# Altium PCB PCB2.PcbDoc (part 2 of 3)
Units mil, origin at the board's own origin, x right, y up, seen from the top; angles counter-clockwise.
Board outline 1953.01 x 1952 mil, 6 copper layers (Top Layer, Layer 1, Layer 3, Layer 4, Layer 2, Bottom Layer), stack 46.352 mil thick; 47 components, 102 nets, 392 pads, 264 vias.
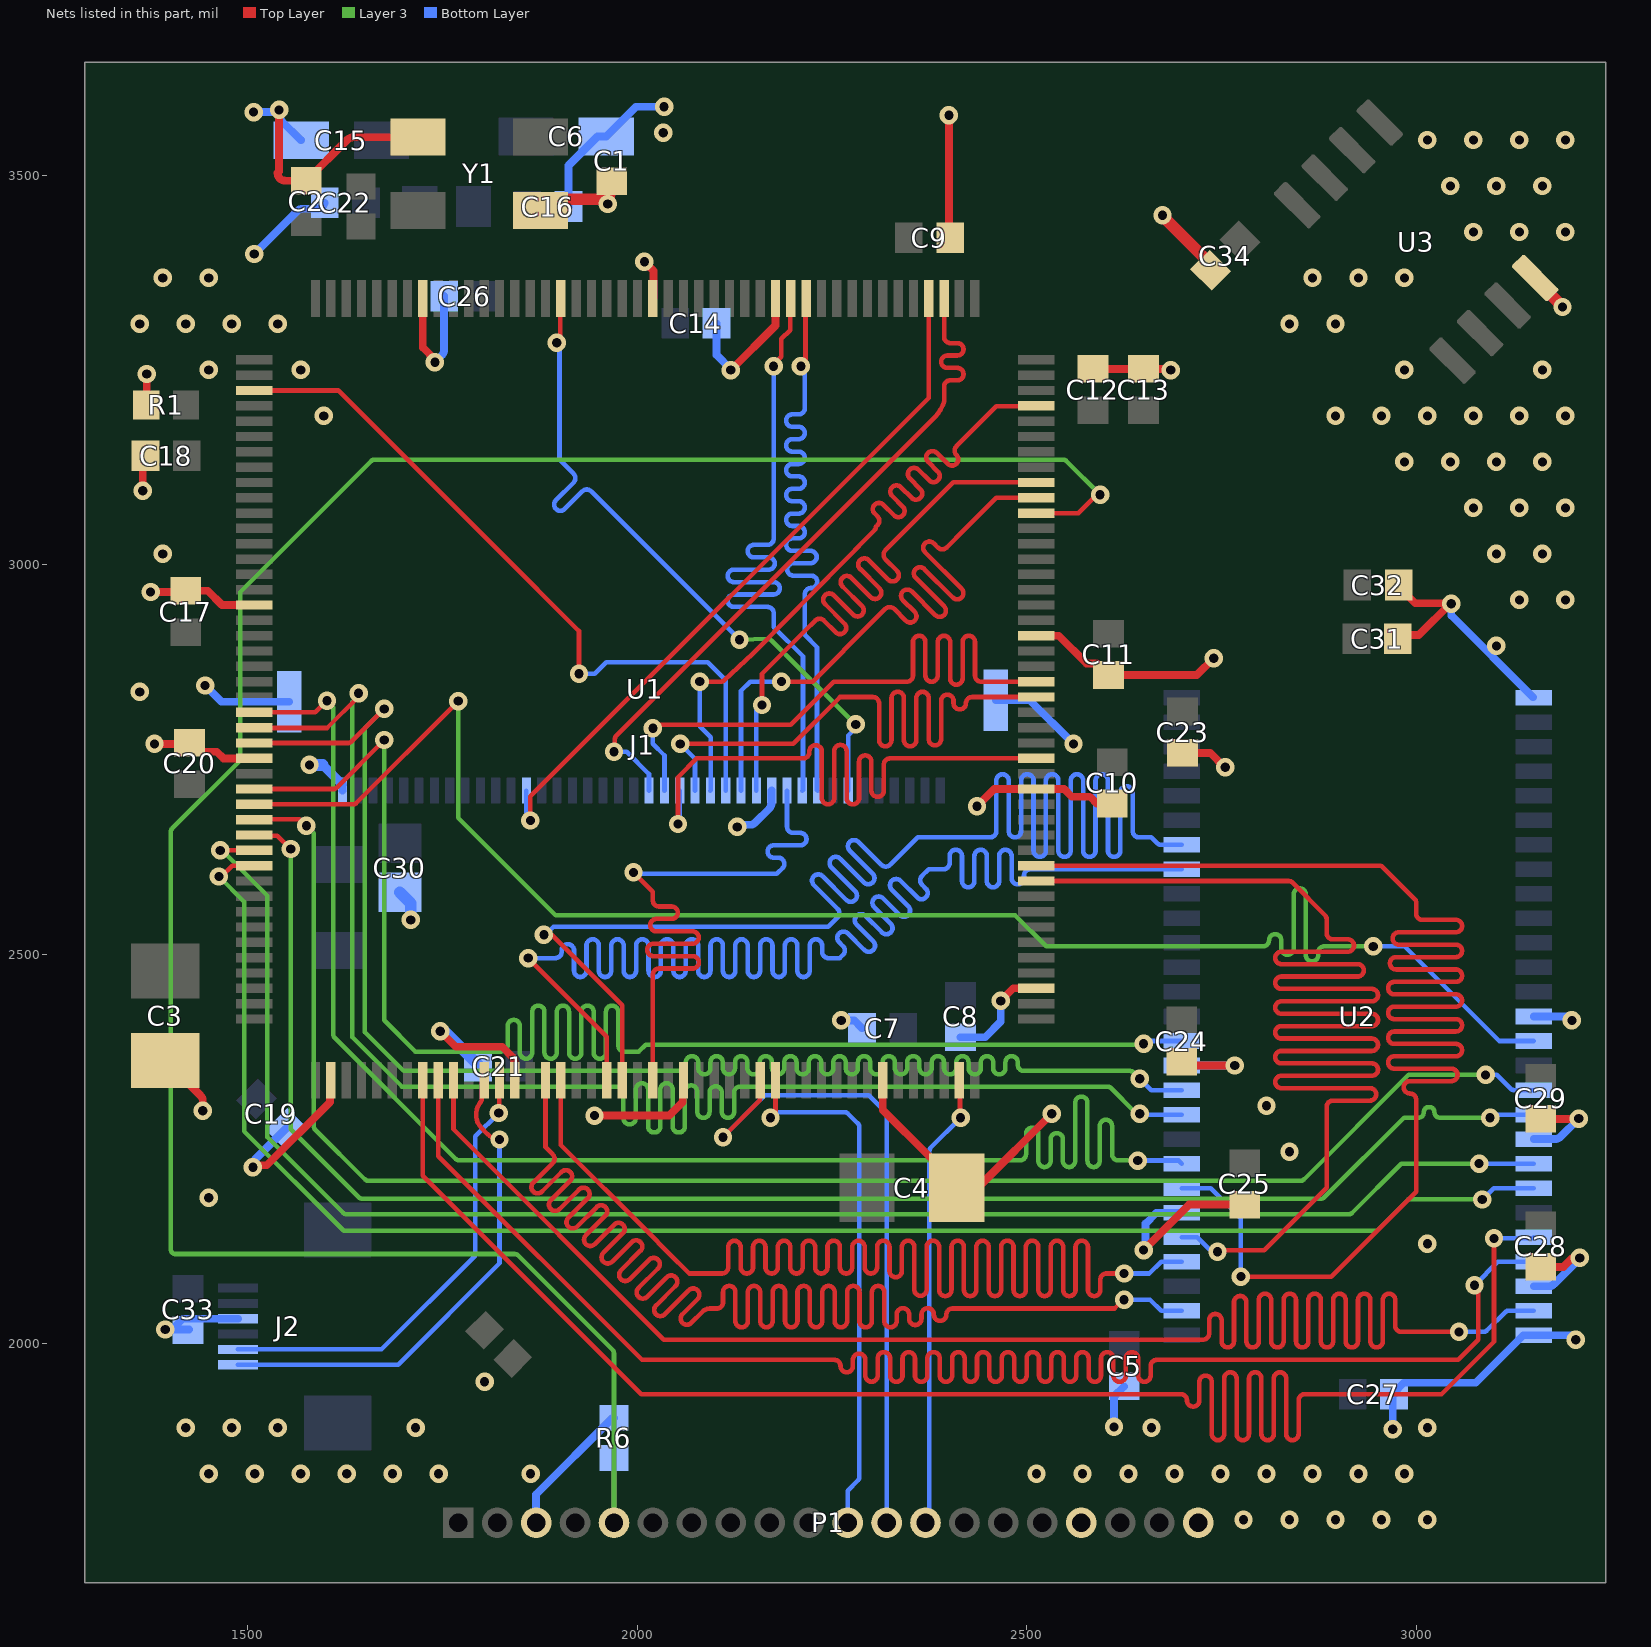
[diagram p6: the nets of this part, all layers, seen from the top]

## Via types
v1: diameter 23.62, hole 11.81, Top Layer to Bottom Layer, tented both sides, 264 vias

## Nets (pads, with @x,y where several pads share a name; then routed paths per layer and width w, separated by ;. In a path a pad name is that pad's centre, name@x,y a point inside that pad or via, vN(x,y) a via of type N, cw(c..) or ccw(c..) an arc to the next point about the centre after c; other vN are vias at no path point) (continued)
BA0: U1.108 U2.20 | length 2477.9
  Top Layer w5.93: v1(1860,2495) 1960.79,2394.21 U1.108@1960.79,2338.03
  Bottom Layer w5.93: v1(1860,2495) 1894.82,2495 ccw(c1894.82,2502.96) 1902.78,2502.96 1902.78,2504.78 cw(c1910.75,2504.78) 1918.71,2504.78 1918.71,2478.64 ccw(c1926.68,2478.64) 1934.64,2478.64 1934.64,2511.11 cw(c1942.6,2511.11) 1950.57,2511.11 1950.57,2478.64 ccw(c1958.53,2478.64) 1966.5,2478.64 1966.5,2511.11 cw(c1974.46,2511.11) 1982.42,2511.11 1982.42,2478.64 ccw(c1990.39,2478.64) 1998.35,2478.64 1998.35,2511.11 cw(c2006.31,2511.11) 2014.28,2511.11 2014.28,2478.64 ccw(c2022.24,2478.64) 2030.21,2478.64 2030.21,2511.11 cw(c2038.17,2511.11) 2046.13,2511.11 2046.13,2478.64 ccw(c2054.1,2478.64) 2062.06,2478.64 2062.06,2511.11 cw(c2070.03,2511.11) 2077.99,2511.11 2077.99,2478.64 ccw(c2085.95,2478.64) 2093.92,2478.64 2093.92,2511.11 cw(c2101.88,2511.11) 2109.85,2511.11 2109.85,2478.64 ccw(c2117.81,2478.64) 2125.77,2478.64 2125.77,2511.11 cw(c2133.74,2511.11) 2141.7,2511.11 2141.7,2478.64 ccw(c2149.66,2478.64) 2157.63,2478.64 2157.63,2511.11 cw(c2165.59,2511.11) 2173.56,2511.11 2173.56,2478.64 ccw(c2181.52,2478.64) 2189.48,2478.64 2189.48,2511.11 cw(c2197.45,2511.11) 2205.41,2511.11 2205.41,2478.64 ccw(c2213.38,2478.64) 2221.34,2478.64 2221.34,2511.11 cw(c2229.3,2511.11) 2237.27,2511.11 2237.27,2502.96 ccw(c2245.23,2502.96) 2245.23,2495 2259.9,2495 2260,2495 2261.99,2496.99 2264.09,2499.09 ccw(c2258.46,2504.72) 2264.09,2510.35 2259.06,2515.38 cw(c2264.69,2521.01) 2259.06,2526.64 cw(c2264.69,2521.01) 2270.32,2526.64 2291.59,2505.38 ccw(c2297.22,2511.01) 2302.85,2505.38 ccw(c2297.22,2511.01) 2302.85,2516.64 2281.59,2537.91 cw(c2287.22,2543.54) 2281.59,2549.17 cw(c2287.22,2543.54) 2292.85,2549.17 2314.12,2527.9 ccw(c2319.75,2533.53) 2325.38,2527.9 ccw(c2319.75,2533.53) 2325.38,2539.17 2304.11,2560.43 cw(c2309.74,2566.06) 2304.11,2571.69 cw(c2309.74,2566.06) 2315.38,2571.69 2336.64,2550.43 ccw(c2342.27,2556.06) 2347.9,2550.43 ccw(c2342.27,2556.06) 2347.9,2561.69 2326.64,2582.96 cw(c2332.27,2588.59) 2326.64,2594.22 cw(c2332.27,2588.59) 2337.9,2594.22 2359.17,2572.95 ccw(c2364.8,2578.59) 2370.43,2572.95 ccw(c2364.8,2578.59) 2370.43,2584.22 2365.45,2589.19 cw(c2371.09,2594.82) 2365.45,2600.45 2373.98,2608.98 2384.28,2608.98 2390,2608.98 2392.96,2608.98 ccw(c2392.96,2616.94) 2400.93,2616.94 2400.93,2626.11 cw(c2408.89,2626.11) 2416.86,2626.11 2416.86,2593.89 ccw(c2424.82,2593.89) 2432.78,2593.89 2432.78,2626.11 cw(c2440.75,2626.11) 2448.71,2626.11 2448.71,2593.89 ccw(c2456.68,2593.89) 2464.64,2593.89 2464.64,2626.11 cw(c2472.6,2626.11) 2480.57,2626.11 2480.57,2597.64 ccw(c2488.53,2597.64) 2496.5,2597.64 2496.5,2601.01 cw(c2504.46,2601.01) 2504.46,2608.98 2518.72,2608.98 U2.20@2699,2608.98
BA1: U1.109 U2.21 | length 2479.7
  Top Layer w5.93: v1(1880,2525) 1890.04,2525 1980.47,2434.56 U1.109@1980.47,2338.03
  Bottom Layer w5.93: v1(1880,2525) 1882.32,2525 1892.32,2535 2244.89,2535 2254.95,2545.05 2257.04,2547.15 ccw(c2251.41,2552.78) 2257.04,2558.41 2226.59,2588.87 cw(c2232.22,2594.5) 2226.59,2600.13 cw(c2232.22,2594.5) 2237.85,2600.13 2268.38,2569.6 ccw(c2274.01,2575.23) 2279.64,2569.6 ccw(c2274.01,2575.23) 2279.64,2580.86 2249.11,2611.39 cw(c2254.74,2617.03) 2249.11,2622.66 cw(c2254.74,2617.03) 2260.37,2622.66 2290.9,2592.13 ccw(c2296.54,2597.76) 2302.17,2592.13 ccw(c2296.54,2597.76) 2302.17,2603.39 2272.63,2632.92 cw(c2278.27,2638.55) 2272.63,2644.18 cw(c2278.27,2638.55) 2283.9,2644.18 2313.36,2614.72 ; 2313.36,2614.73 ccw(c2318.99,2620.36) 2324.62,2614.73 ; 2324.62,2614.72 2337.45,2627.55 2359.89,2650 2450,2650 2452.96,2650 ccw(c2452.96,2657.96) 2460.93,2657.96 2460.93,2723.04 cw(c2468.89,2723.04) 2476.86,2723.04 2476.86,2657.94 ccw(c2484.82,2657.94) 2492.78,2657.94 2492.78,2723.04 cw(c2500.75,2723.04) 2508.71,2723.04 2508.71,2632.87 ccw(c2516.68,2632.87) 2524.64,2632.87 2524.64,2723.04 cw(c2532.6,2723.04) 2540.57,2723.04 2540.57,2632.87 ccw(c2548.53,2632.87) 2556.5,2632.87 2556.5,2723.04 cw(c2564.46,2723.04) 2572.42,2723.04 2572.42,2632.87 ccw(c2580.39,2632.87) 2588.35,2632.87 2588.35,2723.04 cw(c2596.31,2723.04) 2604.28,2723.04 2604.28,2632.87 ccw(c2612.24,2632.87) 2620.21,2632.87 2620.21,2707.73 cw(c2628.17,2707.73) 2636.13,2707.73 2636.13,2657.96 ccw(c2644.1,2657.96) 2644.1,2650 2660,2650 2667.79,2642.21 ccw(c2671.98,2646.4) 2671.98,2640.47 U2.21@2699,2640.47
BOOT0: P1.5 R6.2 U1.166 | length 3092.3
  Top Layer w5.93: U1.166@2511.97,3066.38 2566.38,3066.38 2590,3090 v1(2594.23,3090)
  Layer 3 w5.93: P1.5@1970,1770 1970,1987.54 ccw(c1964.07,1987.54) 1968.24,1991.76 1846.76,2113.24 ccw(c1842.54,2109.07) 1842.54,2115 1406.93,2115 cw(c1406.93,2120.93) 1401,2120.93 1401,2657.28 cw(c1406.93,2657.28) 1402.74,2661.48 1490,2748.74 1490,2965 1658.26,3133.26 cw(c1662.46,3129.07) 1662.46,3135 2546.77,3135 cw(c2546.77,3129.07) 2550.97,3133.26 v1(2594.23,3090)
  Bottom Layer w5.93: P1.5@1970,1770 R6.2@1970,1853.18
D0: U1.104 U2.2 | length 2477.9
  Top Layer w5.93: U1.104@1882.05,2338.03 1882.05,2252.16 1884.14,2250.06 1891.35,2242.86 cw(c1885.72,2237.23) 1891.35,2231.6 1866.24,2206.49 ccw(c1871.87,2200.85) 1866.24,2195.22 ccw(c1871.87,2200.85) 1877.5,2195.22 1902.61,2220.33 cw(c1908.24,2214.7) 1913.87,2220.33 cw(c1908.24,2214.7) 1913.87,2209.07 1888.76,2183.96 ccw(c1894.4,2178.33) 1888.76,2172.7 ccw(c1894.4,2178.33) 1900.03,2172.7 1925.14,2197.81 cw(c1930.77,2192.18) 1936.4,2197.81 cw(c1930.77,2192.18) 1936.4,2186.54 1911.29,2161.43 ccw(c1916.92,2155.8) 1911.29,2150.17 ccw(c1916.92,2155.8) 1922.55,2150.17 1947.66,2175.28 cw(c1953.29,2169.65) 1958.93,2175.28 cw(c1953.29,2169.65) 1958.93,2164.02 1933.82,2138.91 ccw(c1939.45,2133.28) 1933.82,2127.65 ccw(c1939.45,2133.28) 1945.08,2127.65 1970.19,2152.76 cw(c1975.82,2147.13) 1981.45,2152.76 cw(c1975.82,2147.13) 1981.45,2141.49 1956.34,2116.38 ccw(c1961.97,2110.75) 1956.34,2105.12 ccw(c1961.97,2110.75) 1967.6,2105.12 1992.71,2130.23 cw(c1998.34,2124.6) 2003.98,2130.23 cw(c1998.34,2124.6) 2003.98,2118.97 1978.87,2093.86 ccw(c1984.5,2088.23) 1978.87,2082.6 ccw(c1984.5,2088.23) 1990.13,2082.6 2015.24,2107.71 cw(c2020.87,2102.07) 2026.5,2107.71 cw(c2020.87,2102.07) 2026.5,2096.44 2001.39,2071.33 ccw(c2007.02,2065.7) 2001.39,2060.07 ccw(c2007.02,2065.7) 2012.65,2060.07 2037.76,2085.18 cw(c2043.4,2079.55) 2049.03,2085.18 cw(c2043.4,2079.55) 2049.03,2073.92 2023.92,2048.81 ccw(c2029.55,2043.18) 2023.92,2037.55 ccw(c2029.55,2043.18) 2035.18,2037.55 2066.07,2068.44 cw(c2071.71,2062.81) 2077.34,2068.44 cw(c2071.71,2062.81) 2077.34,2057.18 2057.98,2037.82 ccw(c2063.61,2032.19) 2057.98,2026.56 ccw(c2063.61,2032.19) 2069.24,2026.56 2083.69,2041.01 cw(c2093.32,2031.4) 2093.32,2045 2097.51,2045 2099.07,2045 2102.03,2045 ccw(c2102.03,2052.96) 2110,2052.96 2110,2066.11 cw(c2117.96,2066.11) 2125.93,2066.11 2125.93,2028.89 ccw(c2133.89,2028.89) 2141.85,2028.89 2141.85,2066.11 cw(c2149.82,2066.11) 2157.78,2066.11 2157.78,2028.89 ccw(c2165.75,2028.89) 2173.71,2028.89 2173.71,2066.11 cw(c2181.67,2066.11) 2189.64,2066.11 2189.64,2028.89 ccw(c2197.6,2028.89) 2205.56,2028.89 2205.56,2066.11 cw(c2213.53,2066.11) 2221.49,2066.11 2221.49,2028.89 ccw(c2229.46,2028.89) 2237.42,2028.89 2237.42,2066.11 cw(c2245.38,2066.11) 2253.35,2066.11 2253.35,2028.89 ccw(c2261.31,2028.89) 2269.28,2028.89 2269.28,2066.11 cw(c2277.24,2066.11) 2285.2,2066.11 2285.2,2028.89 ccw(c2293.17,2028.89) 2301.13,2028.89 2301.13,2066.11 cw(c2309.1,2066.11) 2317.06,2066.11 2317.06,2028.89 ccw(c2325.02,2028.89) 2332.99,2028.89 2332.99,2037.42 cw(c2340.95,2037.42) 2348.91,2037.42 2348.91,2031.8 ccw(c2356.88,2031.8) 2364.84,2031.8 2364.84,2037.42 cw(c2372.81,2037.42) 2380.77,2037.42 2380.77,2037.04 ccw(c2388.73,2037.04) 2396.7,2037.04 cw(c2404.66,2037.04) 2404.66,2045 2595,2045 2612.68,2045 2624.06,2056.38 v1(2625,2056.38)
  Bottom Layer w5.93: v1(2625,2056.38) 2658.21,2056.38 2672.54,2042.05 U2.2@2699,2042.05
D1: U1.105 U2.4 | length 2477.9
  Top Layer w5.93: U1.105@1901.73,2338.03 1901.73,2255 2013.37,2143.37 2039.86,2116.87 2066.73,2090 2108.72,2090 ccw(c2108.72,2097.96) 2116.69,2097.96 2116.69,2123.94 cw(c2124.65,2123.94) 2132.62,2123.94 2132.62,2097.96 ccw(c2140.58,2097.96) 2148.54,2097.96 2148.54,2124.08 cw(c2156.51,2124.08) 2164.47,2124.08 2164.47,2097.96 ccw(c2172.44,2097.96) 2180.4,2097.96 2180.4,2124.08 cw(c2188.36,2124.08) 2196.33,2124.08 2196.33,2097.96 ccw(c2204.29,2097.96) 2212.26,2097.96 2212.26,2124.08 cw(c2220.22,2124.08) 2228.18,2124.08 2228.18,2097.96 ccw(c2236.15,2097.96) 2244.11,2097.96 2244.11,2124.08 cw(c2252.07,2124.08) 2260.04,2124.08 2260.04,2097.96 ccw(c2268,2097.96) 2275.97,2097.96 2275.97,2124.08 cw(c2283.93,2124.08) 2291.89,2124.08 2291.89,2097.96 ccw(c2299.86,2097.96) 2307.82,2097.96 2307.82,2124.08 cw(c2315.79,2124.08) 2323.75,2124.08 2323.75,2093.21 ccw(c2331.71,2093.21) 2339.68,2093.21 2339.68,2124.08 cw(c2347.64,2124.08) 2355.61,2124.08 2355.61,2069.28 ccw(c2363.57,2069.28) 2371.53,2069.28 2371.53,2124.08 cw(c2379.5,2124.08) 2387.46,2124.08 2387.46,2068.89 ccw(c2395.43,2068.89) 2403.39,2068.89 2403.39,2124.08 cw(c2411.35,2124.08) 2419.32,2124.08 2419.32,2068.89 ccw(c2427.28,2068.89) 2435.24,2068.89 2435.24,2124.08 cw(c2443.21,2124.08) 2451.17,2124.08 2451.17,2068.89 ccw(c2459.14,2068.89) 2467.1,2068.89 2467.1,2124.08 cw(c2475.06,2124.08) 2483.03,2124.08 2483.03,2068.89 ccw(c2490.99,2068.89) 2498.96,2068.89 2498.96,2124.08 cw(c2506.92,2124.08) 2514.88,2124.08 2514.88,2068.89 ccw(c2522.85,2068.89) 2530.81,2068.89 2530.81,2124.08 cw(c2538.78,2124.08) 2546.74,2124.08 2546.74,2068.89 ccw(c2554.7,2068.89) 2562.67,2068.89 2562.67,2124.08 cw(c2570.63,2124.08) 2578.59,2124.08 2578.59,2068.89 ccw(c2586.56,2068.89) 2594.52,2068.89 2594.52,2082.04 cw(c2602.49,2082.04) 2602.49,2090 2605.45,2090 v1(2625,2090)
  Bottom Layer w5.93: v1(2625,2090) 2657.5,2090 2672.54,2105.04 U2.4@2699,2105.04
D2: U1.142 U2.5 | length 2484.5
  Top Layer w5.93: U1.142@2511.97,2593.94 2836.61,2593.94 cw(c2836.61,2588.01) 2840.82,2592.18 2883.28,2549.72 cw(c2879.07,2545.54) 2885,2545.58 ; v1(2745,2117.95) 2747.05,2120 2805,2120 2885,2200 2885,2275 2885,2304.05 cw(c2892.96,2304.05) 2892.96,2312.01 2940.67,2312.01 ccw(c2940.67,2319.97) 2940.67,2327.94 2826.96,2327.94 cw(c2826.96,2335.9) 2826.96,2343.87 2943.04,2343.87 ccw(c2943.04,2351.83) 2943.04,2359.79 2826.96,2359.79 cw(c2826.96,2367.76) 2826.96,2375.72 2943.04,2375.72 ccw(c2943.04,2383.69) 2943.04,2391.65 2826.96,2391.65 cw(c2826.96,2399.61) 2826.96,2407.58 2943.04,2407.58 ccw(c2943.04,2415.54) 2943.04,2423.5 2826.96,2423.5 cw(c2826.96,2431.47) 2826.96,2439.43 2943.04,2439.43 ccw(c2943.04,2447.4) 2943.04,2455.36 2826.96,2455.36 cw(c2826.96,2463.32) 2826.96,2471.29 2924.78,2471.29 ccw(c2924.78,2479.25) 2924.78,2487.22 2826.96,2487.22 cw(c2826.96,2495.18) 2826.96,2503.14 2912.26,2503.14 ccw(c2912.26,2511.11) 2912.26,2519.07 2892.96,2519.07 cw(c2892.96,2527.04) 2885,2527.04 2885,2530 2885,2545.54
  Bottom Layer w5.93: U2.5@2699,2136.54 2716.88,2136.54 cw(c2716.88,2130.61) 2721.07,2134.8 2734.53,2121.34 2741.61,2121.34 v1(2745,2117.95)
D3: U1.143 U2.7 | length 2476.9
  Top Layer w5.93: U1.143@2511.97,2613.62 2952.92,2613.62 cw(c2952.92,2607.69) 2957.14,2611.86 2998.28,2570.72 cw(c2994.07,2566.54) 3000,2566.58 ; v1(2775,2086) 2891,2086 3000,2195 3000,2264.62 3000,2313.12 ccw(c2992.04,2313.12) 2992.04,2321.08 cw(c2992.04,2329.05) 2992.04,2337.01 3045.24,2337.01 ccw(c3045.24,2344.97) 3045.24,2352.94 2971.89,2352.94 cw(c2971.89,2360.9) 2971.89,2368.87 3051.04,2368.87 ccw(c3051.04,2376.83) 3051.04,2384.79 2971.89,2384.79 cw(c2971.89,2392.76) 2971.89,2400.72 3051.04,2400.72 ccw(c3051.04,2408.69) 3051.04,2416.65 2971.89,2416.65 cw(c2971.89,2424.61) 2971.89,2432.58 3051.04,2432.58 ccw(c3051.04,2440.54) 3051.04,2448.5 2971.89,2448.5 cw(c2971.89,2456.47) 2971.89,2464.43 3051.04,2464.43 ccw(c3051.04,2472.4) 3051.04,2480.36 2974.29,2480.36 cw(c2974.29,2488.32) 2974.29,2496.29 3051.04,2496.29 ccw(c3051.04,2504.25) 3051.04,2512.22 2977.74,2512.22 cw(c2977.74,2520.18) 2977.74,2528.14 3051.04,2528.14 ccw(c3051.04,2536.11) 3051.04,2544.07 3007.96,2544.07 cw(c3007.96,2552.04) 3000,2552.04 3000,2555 3000,2566.54
  Bottom Layer w5.93: U2.7@2699,2199.53 2736.42,2199.53 2773.26,2162.68 cw(c2769.07,2158.49) 2775,2158.49 v1(2775,2086)
D4: U1.68 U2.8 | length 2110.1
  Top Layer w5.93: U1.68@1508.03,2810.47 1586.54,2810.47 v1(1601.45,2825.38)
  Layer 3 w5.78: v1(1601.45,2825.38) 1609.7,2817.13 1609.7,2396.65 ccw(c1615.48,2396.69) 1611.4,2392.6 1767.01,2236.99 ccw(c1771.1,2241.08) 1771.1,2235.3 2488.31,2235.3 2491.2,2235.3 ccw(c2491.2,2243.19) 2499.09,2243.19 2499.09,2269.44 cw(c2506.98,2269.44) 2514.87,2269.44 2514.87,2234.57 ccw(c2522.76,2234.57) 2530.66,2234.57 2530.66,2262.41 cw(c2538.55,2262.41) 2546.44,2262.41 2546.44,2234.57 ccw(c2554.33,2234.57) 2562.22,2234.57 2562.22,2309.33 cw(c2570.11,2309.33) 2578,2309.33 2578,2234.57 ccw(c2585.89,2234.57) 2593.78,2234.57 2593.78,2279.47 cw(c2601.67,2279.47) 2609.56,2279.47 2609.56,2243.19 ccw(c2617.45,2243.19) 2617.45,2235.3 2630.38,2235.3 2642.2,2235.3 v1(2642.5,2235)
  Bottom Layer w5.93: v1(2642.5,2235) 2695.02,2235 U2.8@2699,2231.02
D5: U1.69 U2.10 | length 2152.5
  Top Layer w5.93: U1.69@1508.03,2790.79 1508.43,2790.39 1601.5,2790.39 1642.02,2830.92 v1(1642.02,2834.98)
  Layer 3 w5.78: v1(1642.02,2834.98) 1642.02,2832.02 1634.22,2824.22 1634.22,2393.46 1697.68,2330 1915,2330 1974.29,2330 cw(c1974.29,2322.11) 1982.18,2322.11 1982.18,2289.29 ccw(c1990.07,2289.29) 1997.97,2289.29 1997.97,2326.33 cw(c2005.86,2326.33) 2013.75,2326.33 2013.75,2278.89 ccw(c2021.64,2278.89) 2029.53,2278.89 2029.53,2326.33 cw(c2037.42,2326.33) 2045.31,2326.33 2045.31,2278.89 ccw(c2053.2,2278.89) 2061.09,2278.89 2061.09,2323.7 cw(c2068.98,2323.7) 2076.87,2323.7 2076.87,2297.59 ccw(c2084.76,2297.59) 2092.65,2297.59 2092.65,2322.48 cw(c2100.55,2322.48) 2108.44,2322.48 2108.44,2297.59 ccw(c2116.33,2297.59) 2124.22,2297.59 2124.22,2322.11 cw(c2132.11,2322.11) 2132.11,2330 2135,2330 2603.61,2330 cw(c2603.61,2324.22) 2607.71,2328.29 2639.31,2296.69 ccw(c2643.39,2300.78) 2643.39,2295 v1(2645,2295)
  Bottom Layer w5.93: v1(2645,2295) ccw(c2648.27,2299.94) 2648.27,2294.02 U2.10@2699,2294.02
D6: U1.70 U2.11 | length 2148
  Top Layer w5.93: U1.70@1508.03,2771.1 1628.65,2771.1 ccw(c1628.65,2777.03) 1632.84,2772.84 v1(1675,2815)
  Layer 3 w5.78: v1(1675,2815) 1650,2790 1650,2400 1700,2350 2035,2350 2054.44,2350 ccw(c2054.44,2357.89) 2062.33,2357.89 2062.33,2361.33 cw(c2070.22,2361.33) 2078.11,2361.33 2078.11,2353.67 ccw(c2086.01,2353.67) 2093.9,2353.67 2093.9,2361.33 cw(c2101.79,2361.33) 2109.68,2361.33 2109.68,2353.67 ccw(c2117.57,2353.67) 2125.46,2353.67 2125.46,2361.33 cw(c2133.35,2361.33) 2141.24,2361.33 2141.24,2353.67 ccw(c2149.13,2353.67) 2157.02,2353.67 2157.02,2361.33 cw(c2164.91,2361.33) 2172.8,2361.33 2172.8,2353.67 ccw(c2180.7,2353.67) 2188.59,2353.67 2188.59,2361.33 cw(c2196.48,2361.33) 2204.37,2361.33 2204.37,2353.67 ccw(c2212.26,2353.67) 2220.15,2353.67 2220.15,2361.33 cw(c2228.04,2361.33) 2235.93,2361.33 2235.93,2353.67 ccw(c2243.82,2353.67) 2251.71,2353.67 2251.71,2361.33 cw(c2259.6,2361.33) 2267.49,2361.33 2267.49,2353.67 ccw(c2275.38,2353.67) 2283.28,2353.67 2283.28,2361.33 cw(c2291.17,2361.33) 2299.06,2361.33 2299.06,2353.67 ccw(c2306.95,2353.67) 2314.84,2353.67 2314.84,2361.33 cw(c2322.73,2361.33) 2330.62,2361.33 2330.62,2353.67 ccw(c2338.51,2353.67) 2346.4,2353.67 2346.4,2361.33 cw(c2354.29,2361.33) 2362.18,2361.33 2362.18,2353.67 ccw(c2370.07,2353.67) 2377.97,2353.67 2377.97,2361.33 cw(c2385.86,2361.33) 2393.75,2361.33 2393.75,2353.67 ccw(c2401.64,2353.67) 2409.53,2353.67 2409.53,2361.33 cw(c2417.42,2361.33) 2425.31,2361.33 2425.31,2353.67 ccw(c2433.2,2353.67) 2441.09,2353.67 2441.09,2361.33 cw(c2448.98,2361.33) 2456.87,2361.33 2456.87,2353.67 ccw(c2464.76,2353.67) 2472.65,2353.67 2472.65,2361.33 cw(c2480.55,2361.33) 2488.44,2361.33 2488.44,2357.89 ccw(c2496.33,2357.89) 2496.33,2350 2515,2350 2632.61,2350 cw(c2632.61,2344.22) 2636.72,2348.28 v1(2645,2340)
  Bottom Layer w5.93: v1(2645,2340) 2645.3,2340 2659.79,2325.51 U2.11@2699,2325.51
D7: U1.73 U2.13 | length 2157.9
  Top Layer w5.93: U1.73@1508.03,2712.05 1609.59,2712.05 ccw(c1609.59,2717.98) 1613.78,2713.78 v1(1675,2775)
  Layer 3 w5.78: v1(1675,2775) 1675,2415 1715,2375 1805,2375 1825.5,2375 ccw(c1825.5,2382.89) 1833.39,2382.89 1833.39,2407.73 cw(c1841.28,2407.73) 1849.17,2407.73 1849.17,2373.67 ccw(c1857.07,2373.67) 1864.96,2373.67 1864.96,2426.11 cw(c1872.85,2426.11) 1880.74,2426.11 1880.74,2373.67 ccw(c1888.63,2373.67) 1896.52,2373.67 1896.52,2426.11 cw(c1904.41,2426.11) 1912.3,2426.11 1912.3,2373.67 ccw(c1920.19,2373.67) 1928.08,2373.67 1928.08,2426.11 cw(c1935.97,2426.11) 1943.86,2426.11 1943.86,2373.67 ccw(c1951.75,2373.67) 1959.65,2373.67 1959.65,2426.11 cw(c1967.54,2426.11) 1975.43,2426.11 1975.43,2382.89 ccw(c1983.32,2382.89) 1983.32,2375 2001.99,2375 2010.86,2383.87 2648.87,2383.87 v1(2650,2385)
  Bottom Layer w5.93: v1(2650,2385) 2651.77,2386.77 cw(c2655.96,2382.58) 2655.96,2388.5 U2.13@2699,2388.5
D8: U1.74 U2.42 | length 2173.2
  Top Layer w5.93: U1.74@1508.03,2692.36 1634.91,2692.36 ccw(c1634.91,2698.29) 1639.1,2694.1 1764.02,2819.02 v1(1770,2825)
  Layer 3 w5.78: v1(1770,2825) 1770,2674.93 1895.23,2549.7 1925,2549.7 2485.3,2549.7 2525,2510 2803.2,2510 ccw(c2803.2,2517.89) 2811.09,2517.89 cw(c2818.98,2517.89) 2826.87,2517.89 2826.87,2507.16 ccw(c2834.76,2507.16) 2842.65,2507.16 2842.65,2576.63 cw(c2850.55,2576.63) 2858.44,2576.63 2858.44,2498.59 ccw(c2866.33,2498.59) 2874.22,2498.59 2874.22,2502.11 cw(c2882.11,2502.11) 2882.11,2510 2885,2510 v1(2945,2510)
  Bottom Layer w5.93: v1(2945,2510) 2985,2510 3106.5,2388.5 U2.42@3151,2388.5
D9: U1.75 U2.44 | length 2121.1
  Top Layer w5.93: U1.75@1508.03,2672.68 1508.75,2673.4 1566.6,2673.4 v1(1575,2665)
  Layer 3 w5.78: v1(1575,2665) 1584.7,2655.3 1584.7,2278.69 ccw(c1590.48,2278.69) 1586.4,2274.6 1650.31,2210.69 ccw(c1654.39,2214.78) 1654.39,2209 2851.86,2209 ccw(c2851.86,2214.78) 2855.94,2210.69 2990.25,2345 v1(3089.25,2345)
  Bottom Layer w5.93: v1(3089.25,2345) 3103.49,2345 3121.24,2327.25 ccw(c3125.44,2331.44) 3125.44,2325.51 U2.44@3151,2325.51
D10: U1.76 U2.45 | length 2107
  Top Layer w5.93: U1.76@1508.03,2652.99 1508.75,2652.27 1537.73,2652.27 v1(1555,2635)
  Layer 3 w5.78: v1(1555,2635) 1555,2275 1642.31,2187.69 ; 1642.33,2187.67 ccw(c1646.39,2191.78) 1646.39,2186 2878.04,2186 ccw(c2878.04,2191.78) 2882.12,2187.69 ; 2882.13,2187.69 2984.44,2290 3000,2290 3002.89,2290 ccw(c3002.89,2296.89) 3009.78,2296.89 cw(c3016.67,2296.89) 3023.56,2296.89 ccw(c3030.45,2296.89) 3030.45,2290 3044.46,2290 3071.22,2290 v1(3095,2290)
  Bottom Layer w5.93: v1(3095,2290) 3097.28,2292.28 cw(c3101.47,2288.09) 3101.47,2294.02 U2.45@3151,2294.02
D11: U1.77 U2.47 | length 2140.2
  Top Layer w5.93: v1(1464.49,2633.31) U1.77@1508.03,2633.31
  Layer 3 w5.78: v1(1464.49,2633.31) 1466.69,2633.31 1525,2575 1525,2265 1622.31,2167.69 ; 1622.33,2167.67 ccw(c1626.39,2171.78) 1626.39,2166 2913.61,2166 ccw(c2913.61,2171.78) 2917.69,2167.69 2981.02,2231.02 v1(3080.81,2231.02)
  Bottom Layer w5.93: v1@3074.79,2225 v1(3080.81,2231.02) U2.47@3151,2231.02
D12: U1.78 U2.48 | length 2123.2
  Top Layer w5.93: v1(1462.72,2599.69) 1465.91,2599.69 1479.84,2613.62 U1.78@1508.03,2613.62
  Layer 3 w5.78: v1(1462.72,2599.69) 1495,2567.41 1495,2272.68 1622.98,2144.7 2949.7,2144.7 2990,2185 v1(3085,2185)
  Bottom Layer w5.93: v1(3085,2185) 3085.22,2185 3099.75,2199.53 U2.48@3151,2199.53
D13: U1.96 U2.50 | length 2478.2
  Top Layer w5.93: U1.96@1724.57,2338.03 1724.57,2215.43 2005,1935 2670,1935 2697.76,1935 cw(c2697.76,1927.04) 2705.72,1927.04 ccw(c2713.69,1927.04) 2721.65,1927.04 2721.65,1950.94 cw(c2729.61,1950.94) 2737.58,1950.94 2737.58,1883.96 ccw(c2745.54,1883.96) 2753.5,1883.96 2753.5,1955.18 cw(c2761.47,1955.18) 2769.43,1955.18 2769.43,1883.96 ccw(c2777.4,1883.96) 2785.36,1883.96 2785.36,1955.18 cw(c2793.32,1955.18) 2801.29,1955.18 2801.29,1883.96 ccw(c2809.25,1883.96) 2817.22,1883.96 2817.22,1955.18 cw(c2825.18,1955.18) 2833.14,1955.18 2833.14,1883.96 ccw(c2841.11,1883.96) 2849.07,1883.96 2849.07,1927.04 cw(c2857.04,1927.04) 2857.04,1935 2860,1935 3032.56,1935 3100,2002.44 v1(3100,2135)
  Bottom Layer w5.93: v1(3100,2135) 3147.02,2135 ccw(c3147.02,2140.93) 3150.92,2136.47 U2.50@3151,2136.54
D14: U1.97 U2.51 | length 2477.9
  Top Layer w5.93: U1.97@1744.25,2338.03 1744.25,2240.75 2005.93,1979.07 2025,1979.07 2252.91,1979.07 cw(c2252.91,1971.11) 2260.88,1971.11 ccw(c2268.84,1971.11) 2276.8,1971.11 2276.8,1979.07 cw(c2284.77,1979.07) 2292.73,1979.07 2292.73,1958.94 ccw(c2300.7,1958.94) 2308.66,1958.94 2308.66,1981.11 cw(c2316.62,1981.11) 2324.59,1981.11 2324.59,1958.89 ccw(c2332.55,1958.89) 2340.52,1958.89 2340.52,1981.11 cw(c2348.48,1981.11) 2356.44,1981.11 2356.44,1958.89 ccw(c2364.41,1958.89) 2372.37,1958.89 2372.37,1981.11 cw(c2380.34,1981.11) 2388.3,1981.11 2388.3,1958.89 ccw(c2396.26,1958.89) 2404.23,1958.89 2404.23,1981.11 cw(c2412.19,1981.11) 2420.15,1981.11 2420.15,1958.89 ccw(c2428.12,1958.89) 2436.08,1958.89 2436.08,1981.11 cw(c2444.05,1981.11) 2452.01,1981.11 2452.01,1958.89 ccw(c2459.97,1958.89) 2467.94,1958.89 2467.94,1981.11 cw(c2475.9,1981.11) 2483.87,1981.11 2483.87,1958.89 ccw(c2491.83,1958.89) 2499.79,1958.89 2499.79,1981.11 cw(c2507.76,1981.11) 2515.72,1981.11 2515.72,1958.89 ccw(c2523.69,1958.89) 2531.65,1958.89 2531.65,1981.11 cw(c2539.61,1981.11) 2547.58,1981.11 2547.58,1958.89 ccw(c2555.54,1958.89) 2563.5,1958.89 2563.5,1981.11 cw(c2571.47,1981.11) 2579.43,1981.11 2579.43,1958.89 ccw(c2587.4,1958.89) 2595.36,1958.89 2595.36,1981.11 cw(c2603.32,1981.11) 2611.29,1981.11 2611.29,1958.89 ccw(c2619.25,1958.89) 2627.22,1958.89 2627.22,1981.11 cw(c2635.18,1981.11) 2643.14,1981.11 2643.14,1958.89 ccw(c2651.11,1958.89) 2659.07,1958.89 2659.07,1971.11 cw(c2667.04,1971.11) 2667.04,1979.07 2670,1979.07 3054.11,1979.07 3079.77,2004.74 3079.77,2070.23 v1(3075,2075)
  Bottom Layer w5.93: v1(3075,2075) 3105,2105 U2.51@3151,2105.04 U2.51@3151,2105.04
D15: U1.98 U2.53 | length 2479.4
  Top Layer w5.93: U1.98@1763.94,2338.03 1763.94,2275 2033.94,2005 2655,2005 2726.26,2005 ccw(c2726.26,2012.96) 2734.23,2012.96 2734.23,2030.08 cw(c2742.19,2030.08) 2750.15,2030.08 2750.15,2002.96 ccw(c2758.12,2002.96) 2766.08,2002.96 2766.08,2053.08 cw(c2774.05,2053.08) 2782.01,2053.08 2782.01,2002.96 ccw(c2789.97,2002.96) 2797.94,2002.96 2797.94,2056.04 cw(c2805.9,2056.04) 2813.87,2056.04 2813.87,2002.96 ccw(c2821.83,2002.96) 2829.79,2002.96 2829.79,2056.04 cw(c2837.76,2056.04) 2845.72,2056.04 2845.72,2002.96 ccw(c2853.69,2002.96) 2861.65,2002.96 2861.65,2056.04 cw(c2869.61,2056.04) 2877.58,2056.04 2877.58,2002.96 ccw(c2885.54,2002.96) 2893.5,2002.96 2893.5,2056.04 cw(c2901.47,2056.04) 2909.43,2056.04 2909.43,2002.96 ccw(c2917.4,2002.96) 2925.36,2002.96 2925.36,2056.04 cw(c2933.32,2056.04) 2941.29,2056.04 2941.29,2002.96 ccw(c2949.25,2002.96) 2957.22,2002.96 2957.22,2056.04 cw(c2965.18,2056.04) 2973.14,2056.04 2973.14,2022.96 ccw(c2981.11,2022.96) 2981.11,2015 3000,2015 v1(3055,2015)
  Bottom Layer w5.93: v1(3055,2015) 3086.54,2015 ccw(c3086.54,2020.93) 3090.74,2016.74 3114.31,2040.31 cw(c3118.5,2036.12) 3118.45,2042.05 ; 3118.5,2042.05 U2.53@3151,2042.05
DOTCLK: J1.30 U1.111 | length 929
  Top Layer w5.93: v1(1995,2605) 2000,2600 2019.84,2580.16 2019.84,2569.16 ccw(c2027.81,2569.16) 2027.81,2561.2 2044.03,2561.2 cw(c2044.03,2553.23) 2044.03,2545.27 2024.51,2545.27 ccw(c2024.51,2537.31) 2024.51,2529.34 2070.88,2529.34 cw(c2070.88,2521.38) 2070.88,2513.41 2020.6,2513.41 ccw(c2020.6,2505.45) 2020.6,2497.49 2070.88,2497.49 cw(c2070.88,2489.52) 2070.88,2481.56 2027.81,2481.56 ccw(c2027.81,2473.6) 2019.84,2473.6 2019.84,2445 U1.111@2019.84,2338.03
  Bottom Layer w5.93: v1(1995,2605) 1996.9,2603.1 2179.17,2603.1 2181.06,2605 2186.36,2610.3 ccw(c2180.73,2615.93) 2180.73,2623.89 2175.13,2623.89 cw(c2175.13,2631.86) 2175.13,2639.82 2209.2,2639.82 ccw(c2209.2,2647.78) 2209.2,2655.75 2200.13,2655.75 cw(c2200.13,2663.71) 2192.17,2663.71 2192.17,2685 J1.30@2192.17,2710
GND: C1.1 C2.1 C3.2 C4.2 C5.1 C6.2 C7.1 C8.1 C9.1 C10.1 C11.1 C12.1 C13.1 C14.1 C15.2 C16.1 C17.1 C18.1 C19.1 C20.1 C21.1 C22.1 C23.1 C24.1 C25.1 C26.1 C27.1 C28.1 C29.1 C30.1 C31.1 C32.1 C33.2 C34.2 J1.1 J1.29 J1.S1 J1.S2 J2.3 P1.3 P1.17 P1.20 R1.1 R6.1 U1.14 U1.22 U1.37 U1.61 U1.71 U1.90 U1.102 U1.113 U1.126 U1.135 U1.148 U1.158 U2.6 U2.12 U2.28 U2.41 U2.46 U2.52 U2.54 U3.4 Y1.2 Y1.4 | length 5768.7
  Top Layer w10: v1(1365,3095) 1365,3136.57 C18.1@1368.43,3140 ; R1.1@1369.41,3205 1370,3205.59 v1(1370,3245) ; v1(1375,2965) 1418.43,2965 C17.1@1420,2966.57 1448.43,2966.57 1466.73,2948.27 U1.61@1508.03,2948.27 ; v1(1380,2770) 1423.43,2770 C20.1@1425,2771.57 1436.57,2760 1460,2760 1468.58,2751.42 U1.71@1508.03,2751.42 ; C3.2@1394,2363.52 1439.04,2318.48 cw(c1432,2311.38) 1442,2311.38 v1(1442,2299) ; v1(1506.37,2226.37) 1508.98,2228.98 1524.19,2228.98 1605.46,2310.25 1605.46,2337.03 U1.90@1606.46,2338.03 ; v1(1540.03,3584.12) 1540.03,3505.18 1538,3503.15 ccw(c1548,3503.15) 1548,3493.15 1567.07,3493.15 1572.73,3493.15 C2.1@1575,3493.15 ; C2.1@1575.04,3493.18 1627.85,3546 cw(c1634.92,3538.93) 1634.88,3548.93 1715.77,3548.93 ccw(c1715.77,3558.93) 1717.72,3549.12 Y1.2@1718.24,3549.22 ; U1.37@1724.57,3341.97 1724.57,3279.12 1740,3263.69 v1(1740,3260) ; v1(1747,2401) 1767,2381 1826.49,2381 1839.54,2367.96 cw(c1832.46,2360.89) 1842.46,2360.84 1842.46,2340.08 ccw(c1852.46,2340.08) U1.102@1842.68,2338.03 ; v1(1945,2292.72) 2040.69,2292.72 2058.21,2310.25 2058.21,2337.03 U1.113@2059.21,2338.03 ; v1(2009,3389) 2020.63,3377.37 2020.63,3342.76 U1.22@2019.84,3341.97 ; v1(2120,3250) 2177.32,3307.32 U1.14@2177.32,3341.97 ; U1.126@2315.12,2338.03 2315.12,2299.88 2374.04,2240.96 2407.04,2207.96 cw(c2400,2200.86) 2410,2200.86 C4.2@2410,2200 2432.99,2200 ccw(c2432.99,2210) 2440.06,2202.93 v1(2532.14,2295) ; v1(2400,3577.32) 2400,3421.57 C9.1@2401.57,3420 ; v1(2436.15,2690) 2458.2,2712.05 U1.148@2511.97,2712.05 2512.15,2712.23 2547.83,2712.23 2557.96,2702.1 2581.33,2702.1 2590,2693.43 C10.1@2610,2693.43 ; v1(2466.66,2440) 2482.8,2456.14 U1.135@2511.97,2456.14 ; U1.158@2511.97,2908.9 2541.1,2908.9 2576.82,2873.18 2590.25,2873.18 C11.1@2605,2858.43 2718.43,2858.43 v1(2740,2880) ; C12.1@2585,3251.57 C13.1@2650,3251.57 2683.43,3251.57 v1(2685,3250) ; v1(2650,2120) 2708.43,2178.43 C25.1@2780,2178.43 ; C24.1@2699,2361.93 2703.92,2357.01 v1(2767.01,2357.01) ; C23.1@2700,2758.43 2735.51,2758.43 2753.93,2740 v1(2755,2740) ; C31.1@2976.57,2905 2981.47,2909.9 3003.43,2909.9 3044.27,2950.73 2998.87,2950.73 2977.6,2972.01 C32.1@2977.6,2973.98 ; C28.1@3160,2098.43 3189.26,2098.43 3200.83,2110 v1(3210,2110) ; C29.1@3160,2288.43 3208.43,2288.43 v1(3208.84,2288.84)
  Top Layer w15: Y1.4@1875.74,3454.76 1885.79,3464.81 cw(c1896.41,3454.21) 1896.41,3469.21 1945.57,3469.21 ccw(c1945.57,3484.21) 1956.18,3473.6 C1.1@1962,3479.43 ; v1(1961.95,3463.26) C1.1@1966.65,3486.29 ; C1.1@1966.49,3485.52 C1.1@1966.65,3486.29 ; C1.1@1967,3492.43 C1.1@1966.65,3486.29 ; v1(2674.31,3448.84) ccw(c2687.78,3455.43) 2677.18,3444.82 2731.78,3390.22 cw(c2721.21,3379.58) 2736.21,3379.63 2736.21,3379.58 C34.2@2736.21,3378.21 ; U3.4@3152.84,3368.23 v1(3188,3331)
  Bottom Layer w10: v1(1393.81,2018) C33.2@1424.39,2018 ; C33.2@1405.97,2021.43 1416.39,2031.84 J2.3@1487.05,2031.84 ; v1(1445,2845) 1466,2824 J1.S1@1552.72,2824 ; v1(1506.37,2226.37) 1508.98,2228.98 1508.98,2236.4 C19.1@1548.79,2276.21 ; v1(1507.26,3581.26) v1@1532.16,3581.26 ; v1(1508,3399) 1563.2,3454.2 cw(c1570.27,3447.13) 1570.27,3457.13 1588.65,3457.13 ccw(c1588.65,3467.13) C22.1@1598.43,3465 ; v1(1540.03,3584.12) 1540.03,3577.43 ccw(c1550.03,3577.43) 1542.94,3570.37 1567.47,3545.84 ccw(c1574.54,3552.91) C15.2@1568.43,3545 ; J1.1@1621.3,2710 J1.1@1621.3,2717.64 ; v1(1740,3260) 1748.92,3268.92 ccw(c1741.85,3275.99) 1751.85,3275.99 C26.1@1751.85,3345 ; P1.3@1870,1770 1870,1806.33 1968.03,1904.36 R6.1@1970,1904.36 ; C16.1@1911.57,3460 1911.57,3512.8 1948.78,3550 C6.2@1960,3550 1998.19,3588.19 v1(2034.31,3588.19) ; C14.1@2101.57,3310 2101.57,3269.49 2120,3251.07 v1(2120,3250) ; v1(2128.26,2663.48) 2130.86,2666.09 2144.35,2666.09 ccw(c2144.35,2676.09) 2151.44,2669.04 2169.27,2686.86 ccw(c2162.21,2693.95) 2172.21,2693.95 2172.21,2707.69 cw(c2182.21,2707.69) 2172.37,2709.45 J1.29@2172.48,2710 ; v1(2261.85,2415) 2278.43,2415 2287.78,2405.64 C7.1@2288.43,2405 ; C8.1@2415,2393.43 2446.53,2393.43 2466.66,2413.56 v1(2466.66,2440) ; J1.S2@2460.28,2826.22 2503.78,2826.22 v1(2560,2770) ; v1(2612.07,1892.98) 2612.07,1932.07 C5.1@2625,1945 ; v1(2650,2120) 2652.61,2122.61 2652.61,2154 2666.36,2167.76 2698.72,2167.76 U2.6@2699,2168.03 ; U2.12@2699,2357.01 v1(2767.01,2357.01) ; v1(2970,1890) 2970,1933.43 C27.1@2971.57,1935 2971.57,1936.97 2984.29,1949.69 3076.63,1949.69 3137.5,2010.55 U2.54@3151,2010.55 3199.45,2010.55 v1(3205,2005) ; v1(3045,2950) 3045,2935 U2.28@3150,2830 ; U2.52@3151,2073.54 3170.08,2073.54 ccw(c3170.08,2083.54) 3177.15,2076.47 3210,2109.33 v1(3210,2110) ; U2.46@3151,2262.52 3178.38,2262.52 ccw(c3178.38,2272.52) 3185.45,2265.45 v1(3208.84,2288.84) ; U2.41@3151,2420 3190.86,2420 cw(c3190.86,2410) 3197.93,2417.07 v1(3200,2415)
  Bottom Layer w12: 1595.94,2743 J1.1@1621.3,2717.64
  Bottom Layer w15: v1(1579,2743) 1595.94,2743 ; C30.1@1695,2579.5 1709,2565.5 v1(1709,2544.07) ; v1(1747,2401) 1748.65,2399.35 1754.04,2399.35 1795.43,2357.97 C21.1@1795.43,2356
  other v1: 2778.29,1773.83 2837.35,1773.83 2896.4,1773.83 2955.46,1773.83 3014.51,1773.83 1449.55,1832.89 1508.61,1832.89 1567.66,1832.89 1626.72,1832.89 1685.77,1832.89 1744.83,1832.89 1862.94,1832.89 2512.54,1832.89 2571.6,1832.89 2630.65,1832.89 2689.71,1832.89 2748.76,1832.89 2807.82,1832.89 2866.87,1832.89 2925.93,1832.89 2984.98,1832.89 1420.02,1891.94 1479.08,1891.94 1538.13,1891.94 1715.3,1891.94 2660.18,1891.94 3014.51,1891.94 1803.88,1951 3014.51,2128.17 1449.55,2187.22 2837.35,2246.28 2807.82,2305.33 1360.97,2836.83 3103.09,2895.88 3132.62,2954.94 3191.68,2954.94 1390.5,3013.99 3103.09,3013.99 3162.15,3013.99 3073.57,3073.05 3132.62,3073.05 3191.68,3073.05 2984.98,3132.1 3044.04,3132.1 3103.09,3132.1 3162.15,3132.1 1597.19,3191.16 2896.4,3191.16 2955.46,3191.16 3014.51,3191.16 3073.57,3191.16 3132.62,3191.16 3191.68,3191.16 1449.55,3250.21 1567.66,3250.21 2984.98,3250.21 3162.15,3250.21 1360.97,3309.27 1420.02,3309.27 1479.08,3309.27 1538.13,3309.27 2837.35,3309.27 2896.4,3309.27 1390.5,3368.32 1449.55,3368.32 2866.87,3368.32 2925.93,3368.32 2984.98,3368.32 3073.57,3427.38 3132.62,3427.38 3191.68,3427.38 3044.04,3486.43 3103.09,3486.43 3162.15,3486.43 3014.51,3545.49 3073.57,3545.49 3132.62,3545.49 3191.68,3545.49 2033.29,3554.77
GPIO_2: P1.13 U1.131 | length 587.4
  Top Layer w5.93: U1.131@2413.54,2338.03 2414.26,2337.31 2414.26,2290.74 v1(2415,2290)
  Bottom Layer w5.93: P1.13@2370,1770 2375.46,1775.46 2375,1775.92 2375,2247.54 cw(c2380.93,2247.54) 2376.74,2251.74 v1(2415,2290)
HSYNC: J1.32 U1.12 | length 937.5
  Top Layer w5.93: v1(2209.98,3254.98) 2215.97,3260.97 2215.97,3341.25 U1.12@2216.69,3341.97
  Bottom Layer w5.93: v1(2209.98,3254.98) 2215,3250 2215,3220 2215,3201.11 cw(c2207.04,3201.11) 2207.04,3193.14 2198.89,3193.14 ccw(c2198.89,3185.18) 2198.89,3177.22 2207.04,3177.22 cw(c2207.04,3169.25) 2207.04,3161.29 2198.89,3161.29 ccw(c2198.89,3153.32) 2198.89,3145.36 2207.04,3145.36 cw(c2207.04,3137.4) 2207.04,3129.43 2198.89,3129.43 ccw(c2198.89,3121.47) 2198.89,3113.5 2207.04,3113.5 cw(c2207.04,3105.54) 2207.04,3097.58 2198.89,3097.58 ccw(c2198.89,3089.61) 2198.89,3081.65 2207.04,3081.65 cw(c2207.04,3073.69) 2207.04,3065.72 2198.89,3065.72 ccw(c2198.89,3057.76) 2198.89,3049.79 2207.04,3049.79 cw(c2207.04,3041.83) 2207.04,3033.87 2198.89,3033.87 ccw(c2198.89,3025.9) 2198.89,3017.94 2222.27,3017.94 cw(c2222.27,3009.97) 2222.27,3002.01 2200.38,3002.01 ccw(c2200.38,2994.05) 2200.38,2986.08 2222.96,2986.08 cw(c2222.96,2978.12) 2222.96,2970.15 ccw(c2222.96,2962.19) 2215,2962.19 2215,2947.35 2215,2910 2230.72,2894.28 2230.72,2710.82 J1.32@2231.54,2710
I2C3_SDA: P1.12 U1.118 | length 859.9
  Top Layer w5.93: v1(2110,2265) 2155.9,2310.9 ccw(c2151.71,2315.09) 2157.64,2315.09 U1.118@2157.64,2338.03
  Bottom Layer w5.93: v1(2110,2265) 2163.7,2318.7 2297.3,2318.7 2318.26,2297.74 cw(c2314.07,2293.54) 2320,2293.54 P1.12@2320,1770
I2C3_SDL: P1.11 U1.119 | length 696
  Top Layer w5.93: v1@2167.4,2286.41 v1(2171,2290) 2175.99,2295 2177.32,2297.92 U1.119@2177.32,2338.03
  Bottom Layer w5.93: v1(2171,2290) 2170.72,2290 2177.83,2297.12 2266.2,2297.12 cw(c2266.2,2291.19) 2270.4,2295.37 2283.24,2282.52 cw(c2279.07,2278.31) 2285,2278.36 ; P1.11@2270,1770 2270,1811 2283.26,1824.26 ccw(c2279.07,1828.46) 2285,1828.46 2285,2278.31
I2C4_SDA: J2.5 U1.101 | length 592.8
  Top Layer w5.93: v1(1822,2296) 1822.5,2296.5 1822.5,2337.54 U1.101@1822.99,2338.03
  Bottom Layer w5.93: J2.5@1487.05,1992.47 1671.47,1992.47 1792,2113 1792,2266.04 v1(1822,2296)
I2C4_SDL: J2.6 U1.100 | length 643.2
  Top Layer w5.93: U1.100@1803.31,2338.03 1800.27,2335 1800.27,2314.07 cw(c1794.34,2314.07) 1798.87,2310.24 ccw(c1818.01,2294.03) 1798.25,2309.49 ccw(c1802.92,2305.83) 1797.96,2309.07 cw(c1789.62,2314.53) 1797.3,2308.18 ccw(c1818.01,2294.03) 1800.21,2276.36 1807.46,2269.1 ccw(c1824.8,2286.49) v1(1823,2262)
  Bottom Layer w5.93: J2.6@1487.05,1972.79 1692.79,1972.79 1823,2103 v1(1823,2262)
LCD_B0: J1.21 U1.3 | length 914.2
  Top Layer w5.93: v1(1970,2760) 1971.19,2761.19 1971.19,2776.46 cw(c1977.12,2776.46) 1972.94,2780.66 2382.31,3190.03 2382.36,3190.08 ccw(c2351.46,3221.2) 2393.86,3209.99 2393.86,3228.89 cw(c2401.82,3228.89) 2401.82,3236.86 2410.89,3236.86 ccw(c2410.89,3244.82) 2410.89,3252.78 2398.07,3252.78 cw(c2398.07,3260.75) 2398.07,3268.71 2410.89,3268.71 ccw(c2410.89,3276.68) 2410.89,3284.64 2401.82,3284.64 cw(c2401.82,3292.6) 2393.86,3292.6 2393.86,3310 U1.3@2393.86,3341.97
  Bottom Layer w5.93: v1(1970,2760) 1986.29,2760 2015,2731.29 J1.21@2015,2710
LCD_B1: J1.22 U1.155 | length 923.5
  Top Layer w5.93: v1(2020,2790) 2024.77,2794.77 2196.94,2794.77 2252,2849.84 2342.96,2849.84 2345.93,2849.84 ccw(c2345.93,2857.81) 2353.89,2857.81 2353.89,2900.88 cw(c2361.86,2900.88) 2369.82,2900.88 2369.82,2857.81 ccw(c2377.78,2857.81) 2385.75,2857.81 2385.75,2900.88 cw(c2393.71,2900.88) 2401.68,2900.88 2401.68,2854.05 ccw(c2409.64,2854.05) 2417.6,2854.05 2417.6,2900.88 cw(c2425.57,2900.88) 2433.53,2900.88 2433.53,2857.81 ccw(c2441.5,2857.81) 2441.5,2849.84 2465,2849.84 U1.155@2511.97,2849.84
  Bottom Layer w5.93: v1(2020,2790) 2020,2769.96 2034.84,2755.12 2034.84,2710.16 J1.22@2034.69,2710
LCD_B2: J1.23 U1.150 | length 936.9
  Top Layer w5.93: v1(2052.19,2667.19) 2052.19,2727.19 2076.42,2751.42 2210,2751.42 2212.96,2751.42 ccw(c2212.96,2759.38) 2220.93,2759.38 2220.93,2760.44 cw(c2228.89,2760.44) 2236.86,2760.44 2236.86,2700.38 ccw(c2244.82,2700.38) 2252.78,2700.38 2252.78,2760.75 cw(c2260.75,2760.75) 2268.71,2760.75 2268.71,2700.38 ccw(c2276.68,2700.38) 2284.64,2700.38 2284.64,2747.29 cw(c2292.6,2747.29) 2300.57,2747.29 2300.57,2709.92 ccw(c2308.53,2709.92) 2316.5,2709.92 2316.5,2743.45 cw(c2324.46,2743.45) 2324.46,2751.42 2405,2751.42 U1.150@2511.97,2751.42
  Bottom Layer w5.93: v1(2052.19,2667.19) 2054.37,2669.37 J1.23@2054.37,2710
LCD_B3: J1.24 U1.154 | length 936.9
  Top Layer w5.93: v1(2055,2770) 2200,2770 2260.16,2830.16 2283.56,2830.16 2302.46,2830.16 cw(c2302.46,2822.19) 2310.42,2822.19 2310.42,2774.9 ccw(c2318.38,2774.9) 2326.35,2774.9 2326.35,2828.95 cw(c2334.31,2828.95) 2342.28,2828.95 2342.28,2774.9 ccw(c2350.24,2774.9) 2358.2,2774.9 2358.2,2828.96 cw(c2366.17,2828.96) 2374.13,2828.96 2374.13,2776.12 ccw(c2382.1,2776.12) 2390.06,2776.12 2390.06,2825.2 cw(c2398.02,2825.2) 2405.99,2825.2 2405.99,2822.19 ccw(c2413.95,2822.19) 2421.91,2822.19 cw(c2429.88,2822.19) 2429.88,2830.16 2453.56,2830.16 U1.154@2511.97,2830.16
  Bottom Layer w5.93: v1(2055,2770) 2074.06,2750.94 J1.24@2074.06,2710
LCD_B4: J1.25 U1.173 | length 947.2
  Top Layer w5.93: v1(2080,2850) 2107.58,2850 ccw(c2107.58,2855.93) 2111.63,2851.6 2148.09,2885.77 ccw(c2131.16,2903.84) 2148.83,2886.49 2304.54,3044.51 ccw(c2300.32,3048.67) 2306.25,3048.67 2306.25,3048.75 2308.35,3050.85 ccw(c2302.71,3056.48) 2308.35,3062.11 2304.64,3065.82 cw(c2310.27,3071.45) 2304.64,3077.08 cw(c2310.27,3071.45) 2315.9,3077.08 2329.58,3063.4 ccw(c2335.21,3069.03) 2340.84,3063.4 ccw(c2335.21,3069.03) 2340.84,3074.66 2327.16,3088.34 cw(c2332.8,3093.97) 2327.16,3099.6 cw(c2332.8,3093.97) 2338.43,3099.6 2352.1,3085.93 ccw(c2357.73,3091.56) 2363.37,3085.93 ccw(c2357.73,3091.56) 2363.37,3097.19 2349.69,3110.87 cw(c2355.32,3116.5) 2349.69,3122.13 cw(c2355.32,3116.5) 2360.95,3122.13 2374.63,3108.45 ccw(c2380.26,3114.08) 2385.89,3108.45 ccw(c2380.26,3114.08) 2385.89,3119.72 2373.27,3132.34 cw(c2378.9,3137.97) 2373.27,3143.6 cw(c2378.9,3137.97) 2384.53,3143.6 2398.45,3129.68 ccw(c2404.08,3135.32) 2409.71,3129.68 ccw(c2404.08,3135.32) 2409.71,3140.95 cw(c2415.34,3146.58) 2409.71,3152.21 2419.09,3161.59 2460.95,3203.45 2511.25,3203.45 U1.173@2511.97,3204.17
  Bottom Layer w5.93: v1(2080,2850) 2080,2792.67 2094.37,2778.3 2094.37,2710.63 J1.25@2093.74,2710
LCD_B5: J1.26 U1.47 | length 945.7
  Top Layer w5.93: U1.47@1508.03,3223.86 1616.14,3223.86 1820,3020 1925,2915 v1(1925,2860)
  Bottom Layer w5.93: v1(1925,2860) 1945.04,2860 1959.81,2874.77 2090.26,2874.77 2113.43,2851.61 J1.26@2113.43,2710
LCD_B6: J1.27 U1.167 | length 936.9
  Top Layer w5.93: v1(2185,2850) 2225,2850 2305,2930 2318.36,2943.36 cw(c2323.99,2937.73) 2329.62,2943.36 2344.8,2928.18 ccw(c2350.44,2933.81) 2356.07,2928.18 ccw(c2350.44,2933.81) 2356.07,2939.44 2340.88,2954.62 cw(c2346.52,2960.25) 2340.88,2965.88 cw(c2346.52,2960.25) 2352.15,2965.88 2382.6,2935.43 ccw(c2388.23,2941.06) 2393.87,2935.43 ccw(c2388.23,2941.06) 2393.87,2946.69 2357.33,2983.23 cw(c2362.96,2988.86) 2357.33,2994.49 cw(c2362.96,2988.86) 2368.59,2994.49 2405.13,2957.95 ccw(c2410.76,2963.58) 2416.39,2957.95 ccw(c2410.76,2963.58) 2416.39,2969.22 2369.31,3016.3 cw(c2374.94,3021.93) 2369.31,3027.56 cw(c2374.94,3021.93) 2380.57,3027.56 2385.93,3022.2 ccw(c2391.57,3027.83) 2397.2,3022.2 2420,3045 2461.06,3086.06 U1.167@2511.97,3086.06
  Bottom Layer w5.93: J1.27@2133.11,2710 2133.11,2838.15 2144.96,2850 v1(2185,2850)
LCD_B7: J1.28 U1.168 | length 933.7
  Top Layer w5.93: v1(2160,2820) 2160,2860.04 2214.98,2915.02 2228.34,2928.38 cw(c2233.97,2922.75) 2239.6,2928.38 2254.6,2913.38 ccw(c2260.23,2919.02) 2265.86,2913.38 ccw(c2260.23,2919.02) 2265.86,2924.65 2240.9,2949.61 cw(c2246.53,2955.24) 2240.9,2960.87 cw(c2246.53,2955.24) 2252.16,2960.87 2277.12,2935.91 ccw(c2282.75,2941.54) 2288.38,2935.91 ccw(c2282.75,2941.54) 2288.38,2947.17 2263.42,2972.13 cw(c2269.05,2977.77) 2263.42,2983.4 cw(c2269.05,2977.77) 2274.68,2983.4 2299.65,2958.43 ccw(c2305.28,2964.07) 2310.91,2958.43 ccw(c2305.28,2964.07) 2310.91,2969.7 2285.95,2994.66 cw(c2291.58,3000.29) 2285.95,3005.92 cw(c2291.58,3000.29) 2297.21,3005.92 2322.17,2980.96 ccw(c2327.8,2986.59) 2333.43,2980.96 ccw(c2327.8,2986.59) 2333.43,2992.22 2318.44,3007.22 cw(c2324.07,3012.85) 2318.44,3018.48 2329.98,3030.02 2405.71,3105.75 U1.168@2511.97,3105.75
  Bottom Layer w5.93: J1.28@2152.8,2710 2152.8,2812.8 v1(2160,2820)
LCD_DE: J1.34 U1.28 | length 903.5
  Top Layer w5.93: v1(1896.59,3285) 1897.08,3285.44 1900.11,3288.47 1900.87,3288.47 1900.87,3341.1 U1.28@1901.73,3341.97
  Layer 3 w5.93: v1(2131.16,2903.84) 2167.32,2905 cw(c2167.54,2899.07) 2171.74,2903.26 2280,2795 v1(2280.31,2795)
  Bottom Layer w5.93: v1(1896.59,3285) 1897.08,3284.56 1900,3281.64 1900,3135 1905.23,3129.77 1918.11,3116.89 cw(c1912.47,3111.26) 1918.11,3105.63 1895.46,3082.98 ccw(c1901.09,3077.35) 1895.46,3071.72 ccw(c1901.09,3077.35) 1906.72,3071.72 1929.37,3094.37 cw(c1935,3088.74) 1940.63,3094.37 1942.73,3092.27 2129.98,2905.02 v1(2131.16,2903.84) ; J1.34@2270.91,2710 2270.91,2780.81 2280.31,2790.21 v1(2280.31,2795)
LCD_DISP: J1.31 U1.13 | length 937.5
  Top Layer w5.93: v1(2175,3255) 2175,3257.32 2185,3267.32 2185,3290 2196.29,3301.29 2196.29,3341.25 U1.13@2197.01,3341.97
  Bottom Layer w5.93: v1(2175,3255) 2175,3060 2175,3033.53 cw(c2167.04,3033.53) 2167.04,3025.57 2149.6,3025.57 ccw(c2149.6,3017.6) 2149.6,3009.64 2168.53,3009.64 cw(c2168.53,3001.68) 2168.53,2993.71 2123.96,2993.71 ccw(c2123.96,2985.75) 2123.96,2977.78 2174.91,2977.78 cw(c2174.91,2969.82) 2174.91,2961.86 2123.96,2961.86 ccw(c2123.96,2953.89) 2123.96,2945.93 2167.04,2945.93 cw(c2167.04,2937.96) 2175,2937.96 2175,2935 2175,2920 2212.67,2882.33 2212.67,2710.82 J1.31@2211.85,2710
LCD_G0: J1.13 U1.4 | length 922.6
  Top Layer w5.93: v1(1862.61,2671.7) 1862.61,2702.61 2374.17,3214.17 U1.4@2374.17,3341.97
  Bottom Layer w5.93: J1.13@1857.52,2710 1857.52,2681.58 1862.61,2676.49 v1(1862.61,2671.7)